# EAGLE board Mk4 Final Panel 6up 3x2 (EAGLE 9.0.1), part 18 of 18
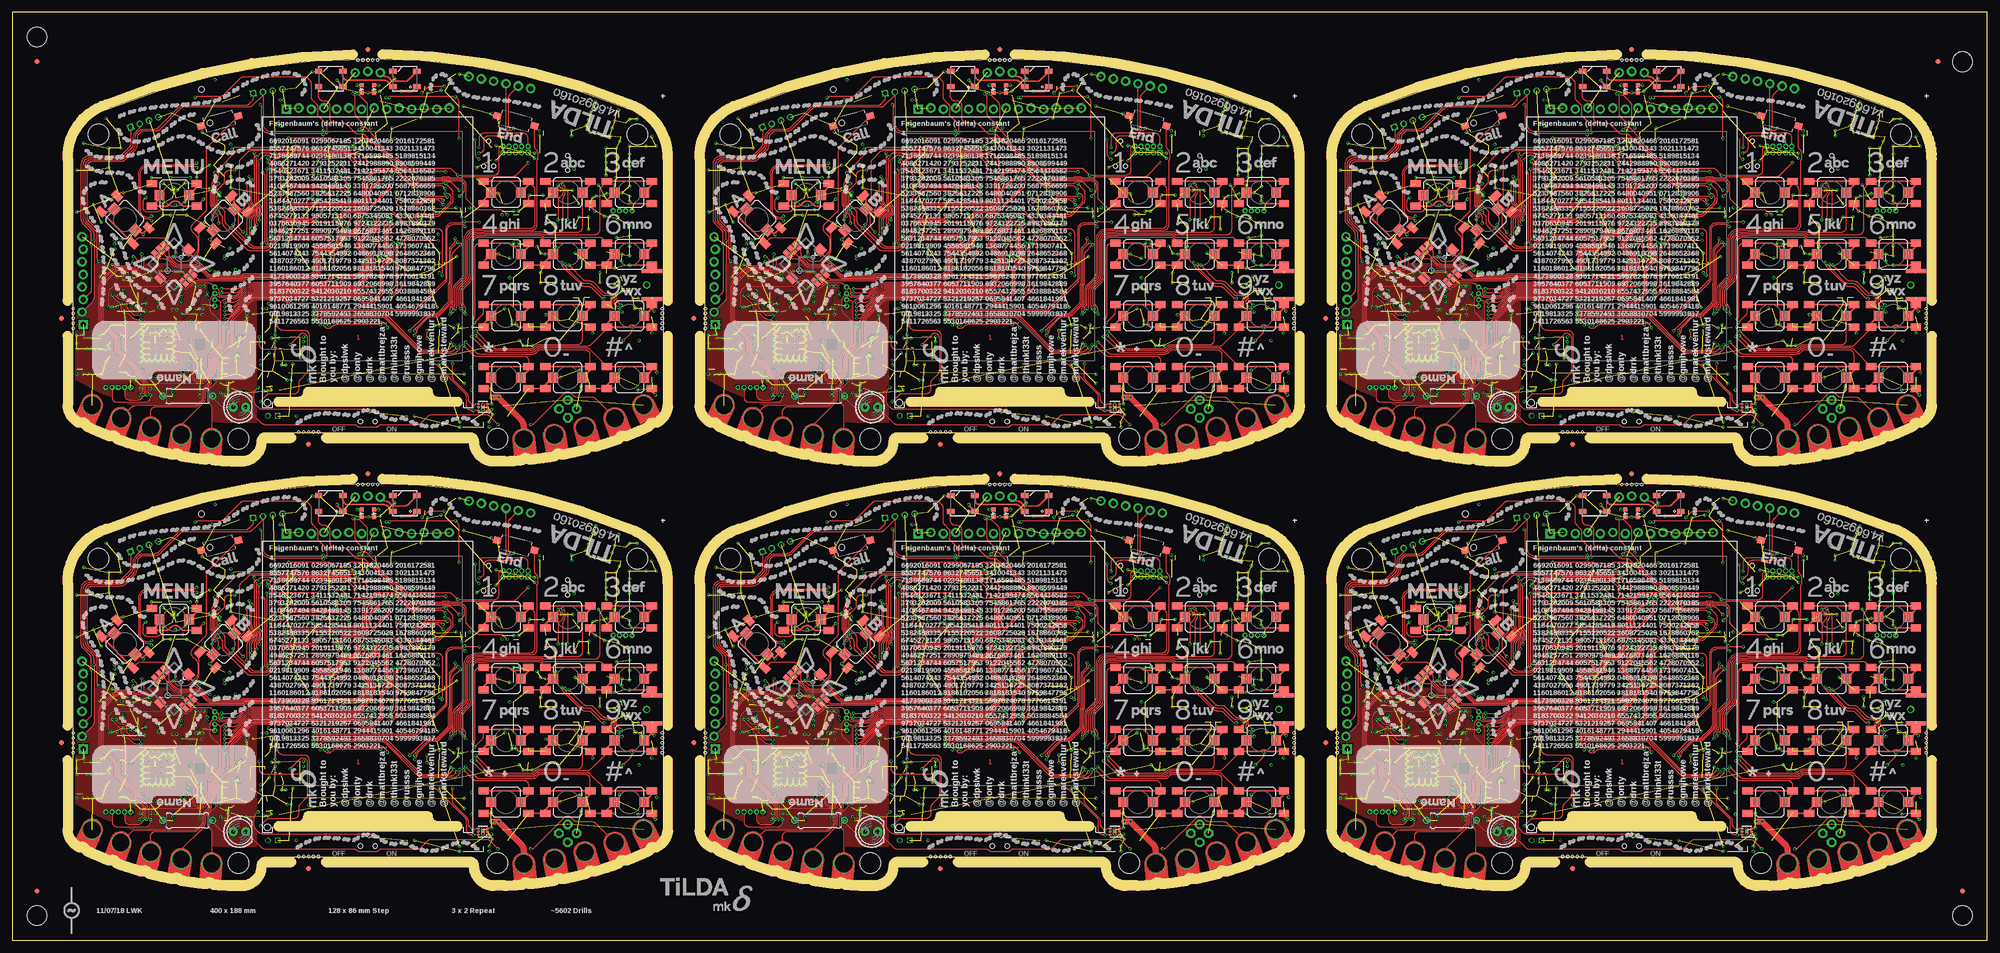
[diagram p0: board, top side]
## Text on the board
tPlace: Feigenbaum's (delta) constant | Feigenbaum's (delta) constant | Feigenbaum's (delta) constant | 4. / 6692016091 0299067185 3203820466 2016172581 / 8557747576 8632745651 3430041343 3021131473 / 7138689744 0239480138 1716598485 5189815134 / 4086271420 2793252231 2442988890 8908599449 / 3546323671 3411532481 7142199474 5564436582 / 3793202009 5610583305 7545861765 2222070385 / 4106467494 9428498145 3391726200 5687556659 / 5233987560 3825637225 6480040951 0712838906 / 1184470277 5854285419 8011134401 7500242858 / 5382498335 7155220522 3608725029 1678860362 / 6745272133 9905713160 6875345083 4339344461 / 0370630945 2019115876 9724322735 8983890379 / 4946257251 2890979489 8676833461 1626889116 / 5631234744 6057517953 9122045562 4728070952 / 0219819909 4558581946 1368774456 1739607411 / 5614074243 7544354992 0486918098 2648652368 / 4387027996 4901739779 3425134723 8087371362 / 1160186012 8186102056 3818183540 9759847796 / 4173900328 9361714321 5987824078 9776614391 / 3957640377 6053711909 6932066998 3619842889 / 8183700322 9412030210 6557432955 5038884584 / 9737034727 5321219257 0695841407 4661841981 / 9610061296 4016148771 2944415901 4054679418 / 0019813325 3378592493 3658830704 5999993837 / 5411726563 5530168625 2903221... | 4. / 6692016091 0299067185 3203820466 2016172581 / 8557747576 8632745651 3430041343 3021131473 / 7138689744 0239480138 1716598485 5189815134 / 4086271420 2793252231 2442988890 8908599449 / 3546323671 3411532481 7142199474 5564436582 / 3793202009 5610583305 7545861765 2222070385 / 4106467494 9428498145 3391726200 5687556659 / 5233987560 3825637225 6480040951 0712838906 / 1184470277 5854285419 8011134401 7500242858 / 5382498335 7155220522 3608725029 1678860362 / 6745272133 9905713160 6875345083 4339344461 / 0370630945 2019115876 9724322735 8983890379 / 4946257251 2890979489 8676833461 1626889116 / 5631234744 6057517953 9122045562 4728070952 / 0219819909 4558581946 1368774456 1739607411 / 5614074243 7544354992 0486918098 2648652368 / 4387027996 4901739779 3425134723 8087371362 / 1160186012 8186102056 3818183540 9759847796 / 4173900328 9361714321 5987824078 9776614391 / 3957640377 6053711909 6932066998 3619842889 / 8183700322 9412030210 6557432955 5038884584 / 9737034727 5321219257 0695841407 4661841981 / 9610061296 4016148771 2944415901 4054679418 / 0019813325 3378592493 3658830704 5999993837 / 5411726563 5530168625 2903221... | 4. / 6692016091 0299067185 3203820466 2016172581 / 8557747576 8632745651 3430041343 3021131473 / 7138689744 0239480138 1716598485 5189815134 / 4086271420 2793252231 2442988890 8908599449 / 3546323671 3411532481 7142199474 5564436582 / 3793202009 5610583305 7545861765 2222070385 / 4106467494 9428498145 3391726200 5687556659 / 5233987560 3825637225 6480040951 0712838906 / 1184470277 5854285419 8011134401 7500242858 / 5382498335 7155220522 3608725029 1678860362 / 6745272133 9905713160 6875345083 4339344461 / 0370630945 2019115876 9724322735 8983890379 / 4946257251 2890979489 8676833461 1626889116 / 5631234744 6057517953 9122045562 4728070952 / 0219819909 4558581946 1368774456 1739607411 / 5614074243 7544354992 0486918098 2648652368 / 4387027996 4901739779 3425134723 8087371362 / 1160186012 8186102056 3818183540 9759847796 / 4173900328 9361714321 5987824078 9776614391 / 3957640377 6053711909 6932066998 3619842889 / 8183700322 9412030210 6557432955 5038884584 / 9737034727 5321219257 0695841407 4661841981 / 9610061296 4016148771 2944415901 4054679418 / 0019813325 3378592493 3658830704 5999993837 / 5411726563 5530168625 2903221... | OFF | ON | OFF | ON | OFF | ON | Feigenbaum's (delta) constant | Feigenbaum's (delta) constant | Feigenbaum's (delta) constant | 4. / 6692016091 0299067185 3203820466 2016172581 / 8557747576 8632745651 3430041343 3021131473 / 7138689744 0239480138 1716598485 5189815134 / 4086271420 2793252231 2442988890 8908599449 / 3546323671 3411532481 7142199474 5564436582 / 3793202009 5610583305 7545861765 2222070385 / 4106467494 9428498145 3391726200 5687556659 / 5233987560 3825637225 6480040951 0712838906 / 1184470277 5854285419 8011134401 7500242858 / 5382498335 7155220522 3608725029 1678860362 / 6745272133 9905713160 6875345083 4339344461 / 0370630945 2019115876 9724322735 8983890379 / 4946257251 2890979489 8676833461 1626889116 / 5631234744 6057517953 9122045562 4728070952 / 0219819909 4558581946 1368774456 1739607411 / 5614074243 7544354992 0486918098 2648652368 / 4387027996 4901739779 3425134723 8087371362 / 1160186012 8186102056 3818183540 9759847796 / 4173900328 9361714321 5987824078 9776614391 / 3957640377 6053711909 6932066998 3619842889 / 8183700322 9412030210 6557432955 5038884584 / 9737034727 5321219257 0695841407 4661841981 / 9610061296 4016148771 2944415901 4054679418 / 0019813325 3378592493 3658830704 5999993837 / 5411726563 5530168625 2903221... | 4. / 6692016091 0299067185 3203820466 2016172581 / 8557747576 8632745651 3430041343 3021131473 / 7138689744 0239480138 1716598485 5189815134 / 4086271420 2793252231 2442988890 8908599449 / 3546323671 3411532481 7142199474 5564436582 / 3793202009 5610583305 7545861765 2222070385 / 4106467494 9428498145 3391726200 5687556659 / 5233987560 3825637225 6480040951 0712838906 / 1184470277 5854285419 8011134401 7500242858 / 5382498335 7155220522 3608725029 1678860362 / 6745272133 9905713160 6875345083 4339344461 / 0370630945 2019115876 9724322735 8983890379 / 4946257251 2890979489 8676833461 1626889116 / 5631234744 6057517953 9122045562 4728070952 / 0219819909 4558581946 1368774456 1739607411 / 5614074243 7544354992 0486918098 2648652368 / 4387027996 4901739779 3425134723 8087371362 / 1160186012 8186102056 3818183540 9759847796 / 4173900328 9361714321 5987824078 9776614391 / 3957640377 6053711909 6932066998 3619842889 / 8183700322 9412030210 6557432955 5038884584 / 9737034727 5321219257 0695841407 4661841981 / 9610061296 4016148771 2944415901 4054679418 / 0019813325 3378592493 3658830704 5999993837 / 5411726563 5530168625 2903221... | 4. / 6692016091 0299067185 3203820466 2016172581 / 8557747576 8632745651 3430041343 3021131473 / 7138689744 0239480138 1716598485 5189815134 / 4086271420 2793252231 2442988890 8908599449 / 3546323671 3411532481 7142199474 5564436582 / 3793202009 5610583305 7545861765 2222070385 / 4106467494 9428498145 3391726200 5687556659 / 5233987560 3825637225 6480040951 0712838906 / 1184470277 5854285419 8011134401 7500242858 / 5382498335 7155220522 3608725029 1678860362 / 6745272133 9905713160 6875345083 4339344461 / 0370630945 2019115876 9724322735 8983890379 / 4946257251 2890979489 8676833461 1626889116 / 5631234744 6057517953 9122045562 4728070952 / 0219819909 4558581946 1368774456 1739607411 / 5614074243 7544354992 0486918098 2648652368 / 4387027996 4901739779 3425134723 8087371362 / 1160186012 8186102056 3818183540 9759847796 / 4173900328 9361714321 5987824078 9776614391 / 3957640377 6053711909 6932066998 3619842889 / 8183700322 9412030210 6557432955 5038884584 / 9737034727 5321219257 0695841407 4661841981 / 9610061296 4016148771 2944415901 4054679418 / 0019813325 3378592493 3658830704 5999993837 / 5411726563 5530168625 2903221... | OFF | ON | OFF | ON | OFF | ON | 11/07/18 LWK | 400 x 188 mm | 128 x 86 mm Step | 3 x 2 Repeat | ~5602 Drills
bPlace: GND | VBAT | WS | GND | GND | VBAT | WS | GND | GND | VBAT | WS | GND | RX | TX | RX | TX | RX | TX | V | UART0 / Console | HELP? | V | UART0 / Console | HELP? | V | UART0 / Console | HELP? | SCL | SDA | SCL | SDA | SCL | SDA | I2C5 | I2C5 | I2C5 | GND | L2 | L1 | RX- | RX+ | TX- | TX+ | 3V3 | GND | L2 | L1 | RX- | RX+ | TX- | TX+ | 3V3 | GND | L2 | L1 | RX- | RX+ | TX- | TX+ | 3V3 | V | G | V | G | V | G | TX | TX | TX | RX | UART4 | RX | UART4 | RX | UART4 | !HIB | ON | !HIB | ON | !HIB | ON | MIC | MIC | MIC | OFF | OFF | OFF | SIM USB | SIM USB | SIM USB | 3V3 | 3V3 | 3V3 | RI | RI | RI | SDA | DTR | SDA | DTR | SDA | DTR | I2C5 | I2C5 | I2C5 | SCL | DCD | SCL | DCD | SCL | DCD | CTS | CTS | CTS | CCP1 | RTS | CCP1 | RTS | CCP1 | RTS | TIM4 | TX | TIM4 | TX | TIM4 | TX | CCP0 | RX | CCP0 | RX | CCP0 | RX | RX | CC UART | STATUS | RX | CC UART | STATUS | RX | CC UART | STATUS | NETLIGHT | NETLIGHT | NETLIGHT | UART4 | UART4 | UART4 | TX | PWR_KEY | TX | PWR_KEY | TX | PWR_KEY | GND | GND | GND | GND | 3V3 | GND | 3V3 | GND | 3V3 | badge.emfcamp.org/2018 | badge.emfcamp.org/2018 | badge.emfcamp.org/2018 | VBAT | designed and assembled in the UK | VBAT | designed and assembled in the UK | VBAT | designed and assembled in the UK | T62 | V_UNREG | T62 | V_UNREG | T62 | V_UNREG | CC FLASH | CC FLASH | CC FLASH | VBATT | VBATT | VBATT | 0V | 0V | 0V | I2C5 | 3.3V | I2C5 | 3.3V | I2C5 | 3.3V | UART4 | UART4 | UART4 | TX | FET | TX | FET | TX | FET | RX | TIM4 | SDA | RX | TIM4 | SDA | RX | TIM4 | SDA | CCP0 | Hall | SCL | CCP0 | Hall | SCL | CCP0 | Hall | SCL | CCP1 | Wake | OFF | ON | Reset | VBATT | CCP1 | Wake | OFF | ON | Reset | VBATT | CCP1 | Wake | OFF | ON | Reset | VBATT | GND | VBAT | WS | GND | GND | VBAT | WS | GND | GND | VBAT | WS | GND | RX | TX | RX | TX | RX | TX | V | UART0 / Console | HELP? | V | UART0 / Console | HELP? | V | UART0 / Console | HELP? | SCL | SDA | SCL | SDA | SCL | SDA | I2C5 | I2C5 | I2C5 | GND | L2 | L1 | RX- | RX+ | TX- | TX+ | 3V3 | GND | L2 | L1 | RX- | RX+ | TX- | TX+ | 3V3 | GND | L2 | L1 | RX- | RX+ | TX- | TX+ | 3V3 | V | G | V | G | V | G | TX | TX | TX | RX | UART4 | RX | UART4 | RX | UART4 | !HIB | ON | !HIB | ON | !HIB | ON | MIC | MIC | MIC | OFF | OFF | OFF | SIM USB | SIM USB | SIM USB | 3V3 | 3V3 | 3V3 | RI | RI | RI | SDA | DTR | SDA | DTR | SDA | DTR | I2C5 | I2C5 | I2C5 | SCL | DCD | SCL | DCD | SCL | DCD | CTS | CTS | CTS | CCP1 | RTS | CCP1 | RTS | CCP1 | RTS | TIM4 | TX | TIM4 | TX | TIM4 | TX | CCP0 | RX | CCP0 | RX | CCP0 | RX | RX | CC UART | STATUS | RX | CC UART | STATUS | RX | CC UART | STATUS | NETLIGHT | NETLIGHT | NETLIGHT | UART4 | UART4 | UART4 | TX | PWR_KEY | TX | PWR_KEY | TX | PWR_KEY | GND | GND | GND | GND | 3V3 | GND | 3V3 | GND | 3V3 | badge.emfcamp.org/2018 | badge.emfcamp.org/2018 | badge.emfcamp.org/2018 | VBAT | designed and assembled in the UK | VBAT | designed and assembled in the UK | VBAT | designed and assembled in the UK | T62 | V_UNREG | T62 | V_UNREG | T62 | V_UNREG | CC FLASH | CC FLASH | CC FLASH | VBATT | VBATT | VBATT | 0V | 0V | 0V | I2C5 | 3.3V | I2C5 | 3.3V | I2C5 | 3.3V | UART4 | UART4 | UART4 | TX | FET | TX | FET | TX | FET | RX | TIM4 | SDA | RX | TIM4 | SDA | RX | TIM4 | SDA | CCP0 | Hall | SCL | CCP0 | Hall | SCL | CCP0 | Hall | SCL | CCP1 | Wake | OFF | ON | Reset | VBATT | CCP1 | Wake | OFF | ON | Reset | VBATT | CCP1 | Wake | OFF | ON | Reset | VBATT